# Altium PCB 6502_CPU_MainBoard_PCB_V1_2_x.PcbDoc (part 3 of 4)
Units mil, origin at the board's own origin, x right, y up, seen from the top; angles counter-clockwise.
Board outline 9000 x 6000 mil, 4 copper layers (Top Layer, Plane(GND), Plane(Power), Bottom Layer), stack 23.756 mil thick; 366 components, 374 nets, 1460 pads, 604 vias.
Unrouted connection lines stored in the file: 40.
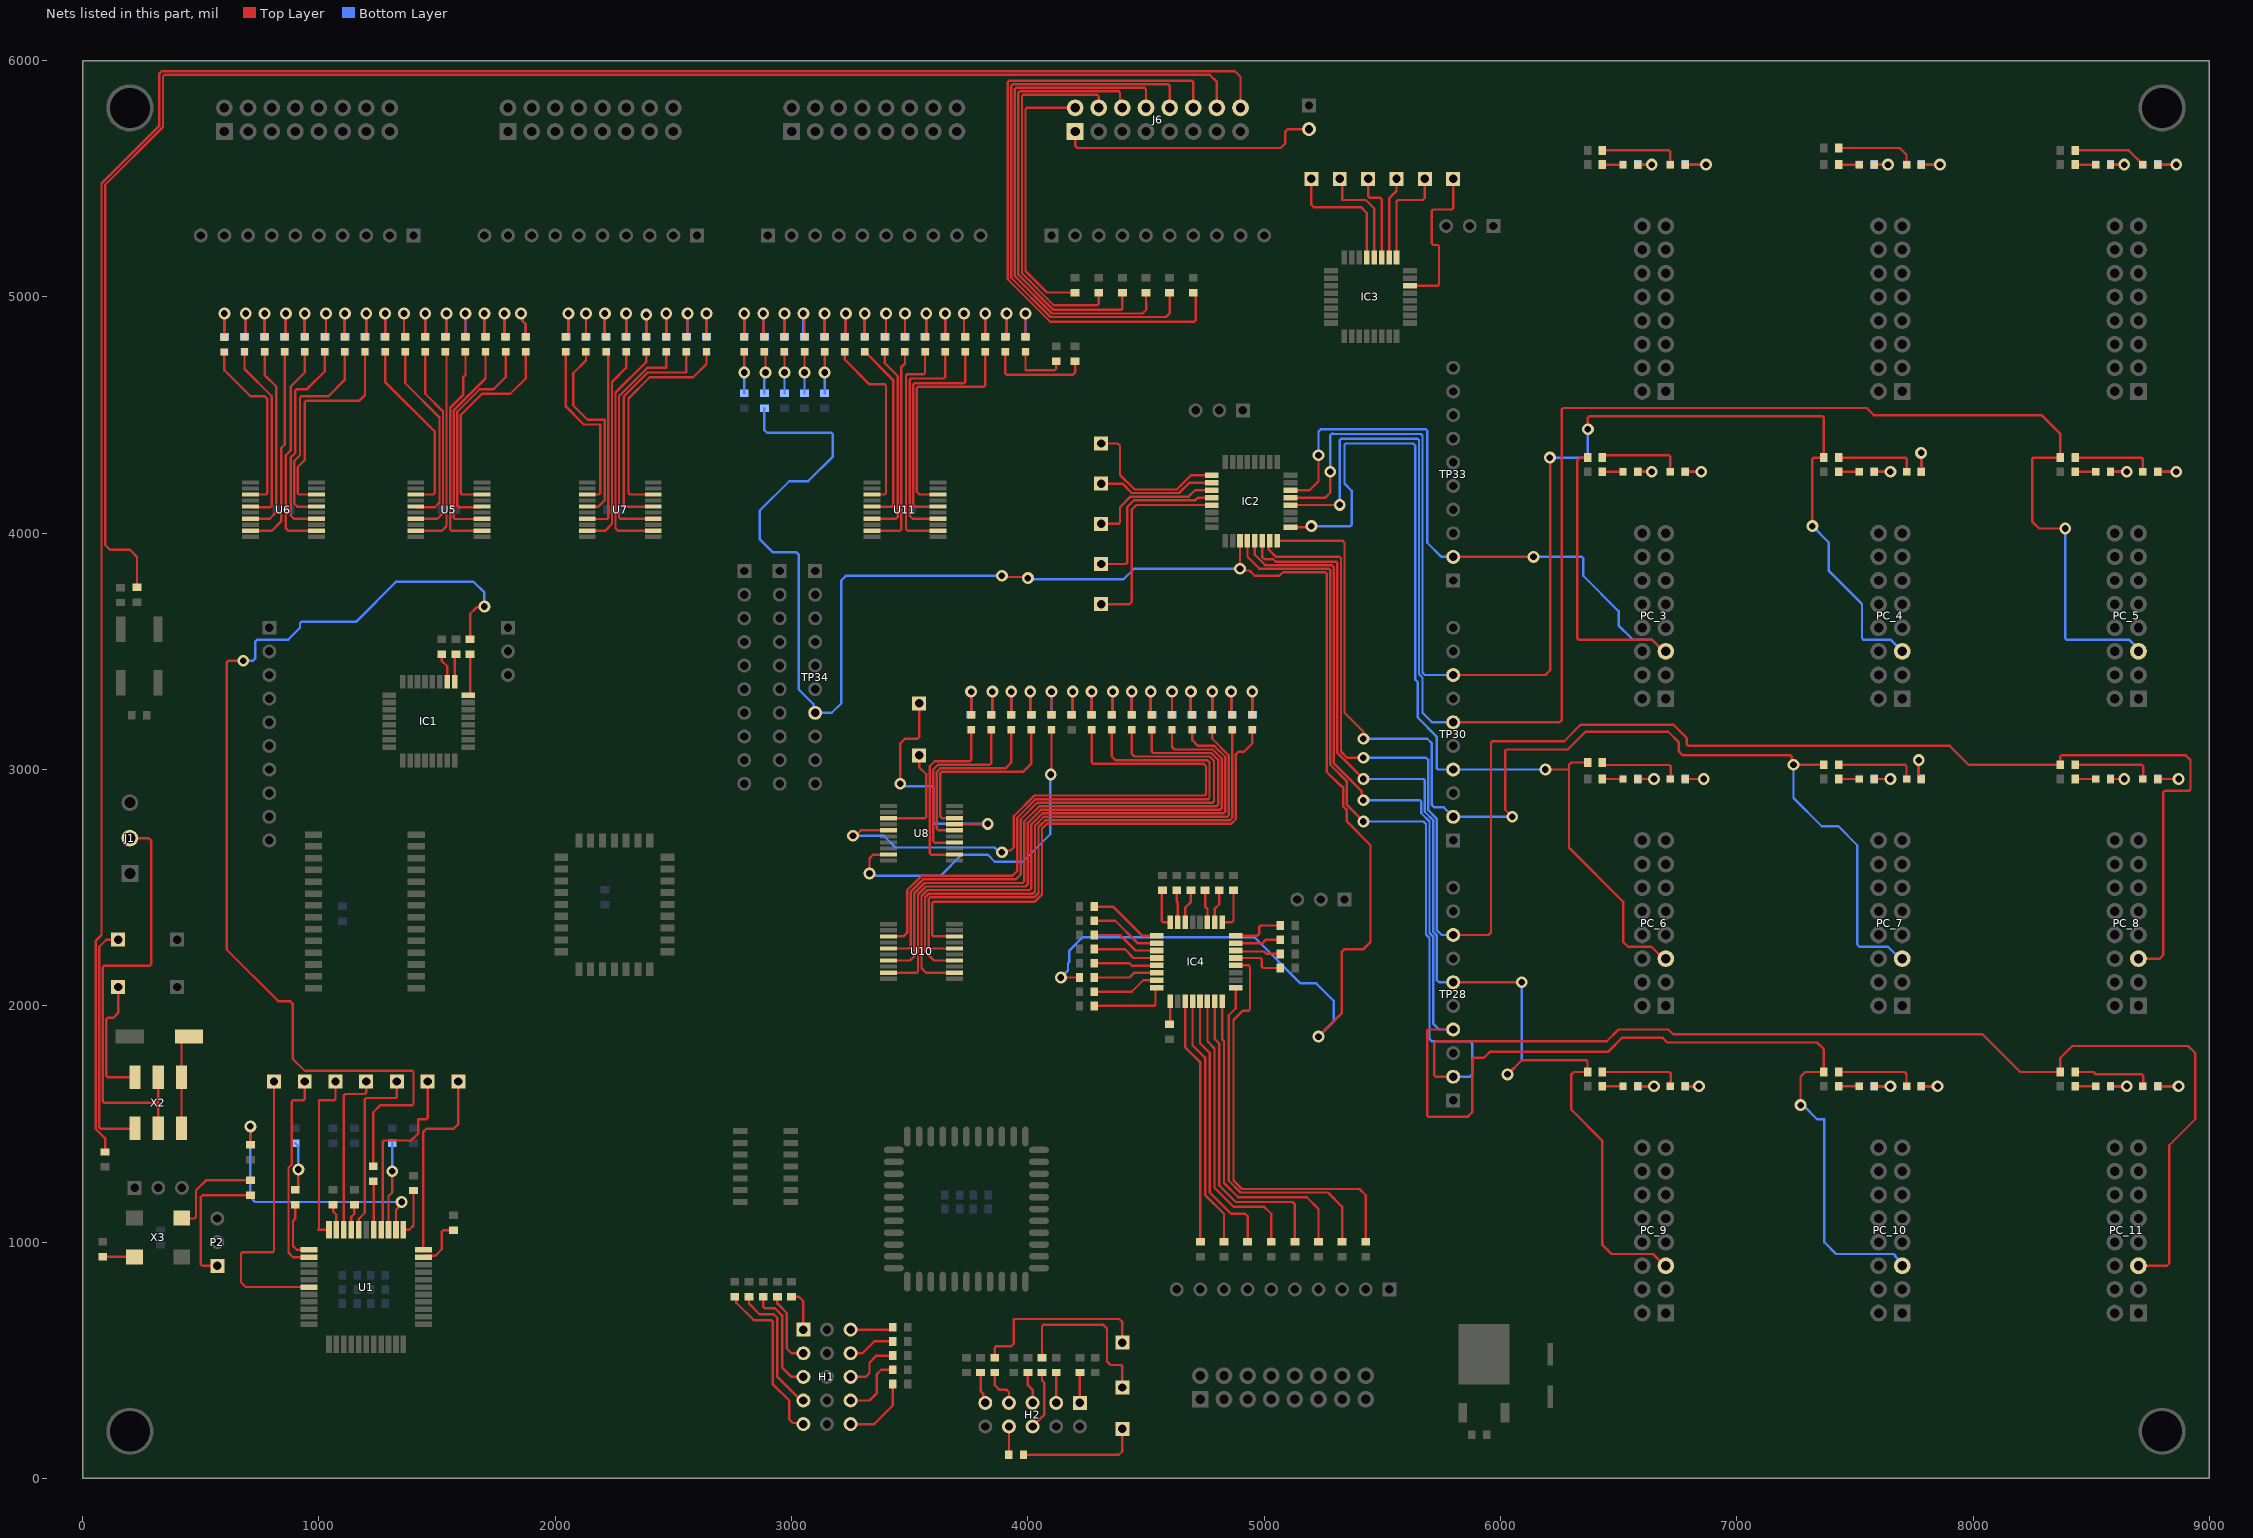
[diagram p5: the nets of this part, all layers, seen from the top]

## Via types
v1: diameter 50, hole 28, Top Layer to Bottom Layer, 604 vias

## Nets (pads, with @x,y where several pads share a name; then routed paths per layer and width w, separated by ;. In a path a pad name is that pad's centre, name@x,y a point inside that pad or via, vN(x,y) a via of type N, cw(c..) or ccw(c..) an arc to the next point about the centre after c; other vN are vias at no path point) (continued)
IRQB3: IC2.22 PC_3.5 R108.1 TP33.2 | length 3761.9
  Top Layer w10: IC2.22@5111.85,4182.24 5192.24,4182.24 5230,4220 v1(5230,4330) ; TP33.2@5800,3900 v1(6140,3900) ; R108.1@6368.5,4320 6337.76,4320 6325,4307.24 6325,3555.86 6330.86,3550 6640,3550 6690,3500 PC_3.5@6700,3500
  Bottom Layer w10: v1(5230,4330) 5230,4430 5240,4440 5684.14,4440 5690,4434.14 5690,3960 5750,3900 TP33.2@5800,3900 ; v1(6140,3900) 6344.14,3900 6350,3894.14 6350,3820 6500,3670 6500,3610 6560,3550 6640,3550 6690,3500 PC_3.5@6700,3500
IRQB4: IC2.21 PC_4.5 R107.1 TP30.8 | length 5860.8
  Top Layer w10: IC2.21@5111.85,4150.75 5259.25,4150.75 5280,4171.5 v1(5280,4260) ; TP30.8@5800,3400 6190,3400 6210,3420 6210,4319.14 v1(6209.14,4320) ; v1(6370,4440) 6370,4489.14 6375.86,4495 7362.65,4495 7368.5,4489.14 R107.1@7368.5,4320 7325.86,4320 7320,4314.14 v1(7320,4030)
  Bottom Layer w10: v1(5280,4260) 5280,4415 5285.86,4420.86 5294.14,4420.86 5295,4420 5664.14,4420 5670,4414.14 5670,3410 5680,3400 TP30.8@5800,3400 ; v1(6209.14,4320) 6364.14,4320 6370,4325.86 v1(6370,4440) ; v1(7320,4030) 7390,3960 7390,3840 7530,3700 7530,3555.86 7535.86,3550 7650,3550 PC_4.5@7700,3500
IRQB5: IC2.20 PC_5.5 R106.1 TP30.6 | length 7518.9
  Top Layer w10: IC2.20@5111.85,4119.25 5112.22,4119.63 5319.63,4119.63 v1(5320,4120) ; TP30.6@5800,3200 6250,3200 6260,3210 6260,4524.14 6265.86,4530 7550,4530 7580,4500 8290,4500 8368.5,4421.5 R106.1@8368.5,4320 8255.86,4320 8250,4314.14 8250,4050 8280,4020 v1(8390,4020)
  Bottom Layer w10: v1(5320,4120) 5320,4394.14 5325.86,4400 5649.14,4400 5655,4394.14 5655,3403.79 5670,3388.79 5670,3240 5710,3200 TP30.6@5800,3200 TP30.6@5809.39,3209.39 ; v1(8390,4020) 8390,3555.86 8395.86,3550 8660,3550 8700,3510 PC_5.5@8700,3500
IRQB6: IC2.17 PC_6.5 R105.1 TP30.4 | length 4020.8
  Top Layer w10: IC2.17@5111.85,4024.76 5194.76,4024.76 v1(5200,4030) ; v1(6190,3000) 6290,3000 ; R105.1@6368.5,3030 6300,3030 6290,3020 6290,3000 ; PC_6.5@6700,2200 6688.79,2200 6638.79,2250 6540,2250 6520,2270 6520,2440 6290,2670 6290,3000
  Bottom Layer w10: v1(5200,4030) 5364.14,4030 5370,4035.86 5370,4180 5340,4210 5340,4374.14 5345.86,4380 5630,4380 5640,4370 5640,3380 5650,3370 5650,3220 5730,3140 5730,3005.86 5735.86,3000 v1(6190,3000)
IRQB7: IC2.16 PC_7.5 R104.1 TP30.2 | length 4968.5
  Top Layer w10: IC2.16@5055.24,3968.15 5331.85,3968.15 5340,3960 5340,3240 5420,3160 v1(5420,3130) ; v1(6050,2800) 6020,2830 6020,3079.14 6025.86,3085 6285,3085 6360,3160 6710,3160 6755,3115 6755,3076.21 6771.21,3060 7226.49,3060 7232.35,3054.14 7232.35,3027.65 v1(7240,3020) R104.1@7368.5,3020
  Bottom Layer w10: v1(5420,3130) 5690,3130 5710,3110 5710,2850 5720,2840 5760,2840 TP30.2@5800,2800 6040,2800 6040.86,2800.86 6049.14,2800.86 v1(6050,2800) ; v1(7240,3020) 7240,2880 7360,2760 7430,2760 7510,2680 7510,2260 7520,2250 7640,2250 7690,2200 PC_7.5@7700,2200
IRQB8: IC2.15 PC_8.5 R293.1 TP28.8 | length 7508.9
  Top Layer w10: IC2.15@5023.74,3968.15 5020,3964.41 5020,3930 5050,3900 5319.14,3900 5325,3894.14 5325,3076.21 5351.21,3050 v1(5420,3050) ; TP28.8@5800,2300 5950,2300 5960,2310 5960,3114.14 5965.86,3120 6270,3120 6340,3190 6731.21,3190 6788.11,3133.11 6788.11,3107.5 6795.61,3100 7901.21,3100 7981.21,3020 R293.1@8368.5,3020 8368.5,3054.14 8374.36,3060 8900,3060 8920,3040 8920,2915.86 8914.14,2910 8810.86,2910 8805,2904.14 8805,2215 8790,2200 PC_8.5@8700,2200
  Bottom Layer w10: v1(5420,3050) 5685,3050 5695,3040 5695,2827.43 5730,2792.43 5730,2321.21 5751.21,2300 TP28.8@5800,2300
IRQB9: IC2.14 PC_9.5 R291.1 TP28.6 | length 4826.9
  Top Layer w10: IC2.14@4992.24,3968.15 4992.24,3898.97 5001.21,3890 5038.79,3890 5048.79,3880 5304.14,3880 5310,3874.14 5310,3070 v1(5420,2960) ; TP28.6@5800,2100 v1(6090,2100) ; v1(6030,1710) 6090,1770 6362.65,1770 6368.5,1764.14 R291.1@6368.5,1720 6310,1720 6300,1710 6300,1560 6430,1430 6430,990 6470,950 6645.26,950 6695.26,900 PC_9.5@6700,900
  Bottom Layer w10: v1(5420,2960) 5674.14,2960 5680,2954.14 5680,2821.21 5715,2786.21 5715,2315 5730,2300 5730,2110 5740,2100 TP28.6@5800,2100 ; v1(6030,1710) 6090,1770 v1(6090,2100)
IRQB10: IC2.13 PC_10.5 R289.1 TP28.4 | length 6545.4
  Top Layer w10: IC2.13@4960.75,3968.15 4960.75,3909.25 5005,3865 5286.21,3865 5295,3856.21 5295,3026.21 5412.35,2908.87 5412.35,2877.65 v1(5420,2870) ; TP28.4@5800,1900 5695.86,1900 5690,1894.14 5690,1535.86 5695.86,1530 5860,1530 5880,1550 5880,1774.14 5885.86,1780 5930,1780 5955,1805 6455,1805 6515,1865 6686.21,1865 6706.21,1845 7340,1845 7368.5,1816.5 R289.1@7368.5,1720 7290,1720 7270,1700 v1(7270,1580)
  Bottom Layer w10: v1(5420,2870) 5659.14,2870 5665,2864.14 5665,2815 5700,2780 5700,2308.79 5715,2293.79 5715,1925 5740,1900 TP28.4@5800,1900 ; v1(7270,1580) 7280,1580 7340,1520 7370,1520 7370,1000 7420,950 7664.14,950 7670,944.14 7670,941.32 7700,911.32 PC_10.5@7700,900
IRQB11: IC2.12 PC_11.5 R287.1 TP28.2 | length 7851.9
  Top Layer w10: IC2.12@4929.25,3968.15 4929.25,3900.75 4980,3850 5274.14,3850 5280,3844.14 5280,3020 5350,2950 5350,2850 v1(5420,2780) ; TP28.2@5800,1700 5725.86,1700 5720,1705.86 5720,1844.14 5725.86,1850 6450,1850 6500,1900 6710,1900 6730,1880 8040,1880 8200,1720 R287.1@8368.5,1720 8368.5,1778.5 8420,1830 8910,1830 8940,1800 8940,1520 8830,1410 8830,910 8820,900 PC_11.5@8700,900
  Bottom Layer w10: v1(5420,2780) 5675,2780 5685,2770 5685,2302.57 5700,2287.57 5700,1860 5710,1850 5870,1850 5880,1840 5880,1710 5870,1700 TP28.2@5800,1700
IRQBZ80: IC2.11 R264.1 R288.1 TP34.7 | length 8587.9
  Top Layer w10: v1(3890,3820) 3895,3815 3995,3815 v1(4000,3810) ; v1(4140,2120) R264.1@4218.5,2120 ; IC2.11@4897.76,3968.15 v1(4897.76,3850) 4905.41,3842.35 4937.65,3842.35 4960,3820 5065,3820 5080,3835 5259.14,3835 5265,3829.14 5265,2990 5325,2930 5329.14,2930 5335,2924.14 5335,2843.79 5350,2828.79 5350,2780 5450,2680 5450,2270 5420,2240 5340,2240 5329.14,2229.14 5329.14,1969.14 v1(5230,1870)
  Bottom Layer w10: R288.1@2885,4528.5 2885,4435.86 2895.86,4425 3169.14,4425 3175,4419.14 3175,4325 3070,4220 2990,4220 2865,4095 2865,3975 2920,3920 3020,3920 3030,3910 3030,3340 3093.51,3276.49 3093.51,3246.49 TP34.7@3100,3240 3170,3240 3210,3280 3210,3800 3230,3820 v1(3890,3820) ; v1(4000,3810) 4005,3805 4405,3805 4450,3850 v1(4897.76,3850) ; v1(4140,2120) 4170,2150 4170,2180 4175.61,2185.61 4175.61,2234.39 4231.21,2290 4958.79,2290 5153.79,2095 5220.15,2095 5293.79,2021.36 5293.79,1933.79 v1(5230,1870)
nCPUReset: R24.1 R60.2 | length 4445.5
  Top Layer w10: v1(680,3460) 615.86,3460 610,3454.14 610,2237.57 827.57,2020 877.57,2020 888.79,2008.79 888.79,1776.21 940,1725 1394.14,1725 1400,1719.14 1400,1585.86 1394.14,1580 1260,1580 1230,1550 R24.1@1230,1321.5 ; R60.2@1640,3551.5 1640,3659.18 1667.13,3686.3 1696.3,3686.3 v1(1700,3690)
  Bottom Layer w10: v1(680,3460) 720,3460 730,3470 730,3540 740,3550 870,3550 920,3600 920,3619.14 925.86,3625 1156.21,3625 1325.74,3794.53 1654.14,3794.53 1700,3748.67 v1(1700,3690)
NetD1_2: D1.2 X2.3 X2.4 | length 405.2
  Top Layer w10: X2.3@418.42,1481.73 X2.4@418.42,1698.27 418.42,1845 443.42,1870 D1.2@450,1870
NetH1_1: H1.1 R142.2 | length 177.7
  Top Layer w10: R142.2@3000,768.5 3031.5,768.5 3050,750 H1.1@3050,630
NetH1_3: H1.3 R160.1 | length 182.6
  Top Layer w10: H1.3@3250,630 3418.5,630 R160.1@3428.5,640
NetH1_4: H1.4 R143.2 | length 313.4
  Top Layer w10: R143.2@2940,768.5 2940,740 2980,700 2980,550 3000,530 H1.4@3050,530
NetH1_6: H1.6 R157.1 | length 199.2
  Top Layer w10: H1.6@3250,530 3300,530 3350,580 R157.1@3428.5,580
NetH1_7: H1.7 R144.2 | length 464.1
  Top Layer w10: R144.2@2880,768.5 2880,725.86 2885.86,720 2930,720 2960,690 2960,470 3000,430 H1.7@3050,430
NetH1_9: H1.9 R156.1 | length 241.6
  Top Layer w10: H1.9@3250,430 3314.14,430 3330,445.86 3330,490 3360,520 R156.1@3428.5,520
NetH1_10: H1.10 R145.2 | length 574.8
  Top Layer w10: R145.2@2820,768.5 2820,740 2865,695 2925,695 2940,680 2940,430 3040,330 H1.10@3050,330
NetH1_12: H1.12 R159.1 | length 279.2
  Top Layer w10: H1.12@3250,330 3330,330 3360,360 3360,440 3380,460 R159.1@3428.5,460
NetH1_13: H1.13 R146.2 | length 725.5
  Top Layer w10: R146.2@2760,768.5 2766.39,762.12 2766.39,743.61 2840,670 2914.14,670 2920,664.14 2920,400 2990,330 2990,250 3005.47,234.53 3045.47,234.53 H1.13@3050,230
NetH1_15: H1.15 R158.1 | length 302.5
  Top Layer w10: H1.15@3250,230 3350,230 3428.5,308.5 R158.1@3428.5,400
NetH2_1: H2.1 R149.2 | length 128.5
  Top Layer w10: H2.1@4220,320 R149.2@4220,448.5
NetH2_3: H2.3 R150.2 | length 128.5
  Top Layer w10: H2.3@4120,320 R150.2@4120,448.5
NetH2_5: H2.5 R151.2 | length 136.8
  Top Layer w10: R151.2@4000,448.5 4000,395 4020,375 H2.5@4020,320
NetH2_6: H2.6 R152.1 | length 258.7
  Top Layer w10: H2.6@4020,220 4070,270 4070,405 4060,415 R152.1@4060,442.76 ; R152.1@4060,448.5 R152.1@4060,442.76 ; R152.1@4065,443.5 4060.75,443.5 R152.1@4060,442.76
NetH2_7: H2.7 R153.2 | length 170.9
  Top Layer w10: R153.2@3860,448.5 3860,395 3880,375 3910,375 3920,365 H2.7@3920,320
NetH2_8: H2.8 R154.1 | length 103.5
  Top Layer w10: R154.1@3920,116.46 H2.8@3920,220
NetH2_9: H2.9 R155.2 | length 136.8
  Top Layer w10: R155.2@3800,448.5 3800,370 3810.61,359.39 3810.61,329.39 H2.9@3820,320
NetIC1_24: IC1.24 R60.1 | length 177.9
  Top Layer w10: IC1.24@1631.34,3315.24 1633.19,3315.24 1640,3322.05 R60.1@1640,3488.5
NetIC1_25: IC1.25 R59.1 | length 118.8
  Top Layer w10: IC1.25@1574.72,3371.85 1574.72,3483.23 R59.1@1580,3488.5
NetIC1_26: IC1.26 R58.1 | length 126.3
  Top Layer w10: R58.1@1520,3488.5 1520,3460 1543.23,3436.77 IC1.26@1543.23,3371.85
NetIC2_1: IC2.1 TP39.1 | length 645.9
  Top Layer w10: TP39.1@4310,4380 4380,4380 4390,4370 4390,4247.07 4452.07,4185 4630,4185 4690.24,4245.24 IC2.1@4778.15,4245.24
NetIC2_2: IC2.2 TP40.1 | length 502.8
  Top Layer w10: TP40.1@4310,4210 4400,4210 4440,4170 4640,4170 4683.74,4213.74 IC2.2@4778.15,4213.74
NetIC2_3: IC2.3 TP42.1 | length 564.6
  Top Layer w10: TP42.1@4310,4040 4384.14,4040 4390,4045.86 4390,4110 4435,4155 4680.45,4155 4707.7,4182.24 IC2.3@4778.15,4182.24
NetIC2_4: IC2.4 TP44.1 | length 721.6
  Top Layer w10: TP44.1@4310,3870 4414.14,3870 4420,3875.86 4420,4110 4450,4140 4709.25,4140 4720,4150.75 IC2.4@4778.15,4150.75
NetIC2_5: IC2.5 TP46.1 | length 870.3
  Top Layer w10: TP46.1@4310,3700 4430,3700 4440,3710 4440,4100 4459.25,4119.25 IC2.5@4778.15,4119.25
NetIC3_1: IC3.1 TP41.1 | length 444
  Top Layer w10: IC3.1@5560.24,5166.85 5560,5167.09 5560,5404.14 5565.86,5410 5670,5410 5680,5420 TP41.1@5680,5500
NetIC3_2: IC3.2 TP43.1 | length 346.1
  Top Layer w10: IC3.2@5528.74,5166.85 5528.74,5416.48 5560,5447.74 TP43.1@5560,5500
NetIC3_3: IC3.3 TP45.1 | length 383.5
  Top Layer w10: TP45.1@5440,5500 5440,5425.86 5445.86,5420 5491.39,5420 5497.24,5414.14 IC3.3@5497.24,5166.85
NetIC3_4: IC3.4 TP47.1 | length 452.1
  Top Layer w10: TP47.1@5320,5500 5330,5490 5330,5410 5430,5410 5465.75,5374.25 IC3.4@5465.75,5166.85
NetIC3_5: IC3.5 TP48.1 | length 547.3
  Top Layer w10: TP48.1@5200,5500 5200,5390 5210,5380 5410,5380 5434.25,5355.75 IC3.5@5434.25,5166.85
NetIC3_30: IC3.30 TP38.1 | length 678.7
  Top Layer w10: IC3.30@5616.85,5047.24 5734.14,5047.24 5740,5053.1 5740,5214.14 5734.14,5220 5715.86,5220 5710,5225.86 5710,5364.14 5715.86,5370 5794.14,5370 5800,5375.86 TP38.1@5800,5500
NetIC4_1: IC4.1 R253.2 | length 315.3
  Top Layer w10: R253.2@4281.5,2420 4360,2420 4482.91,2297.09 IC4.1@4545.91,2297.09
NetIC4_2: IC4.2 R255.2 | length 303.5
  Top Layer w10: R255.2@4281.5,2360 4370,2360 4464.41,2265.59 IC4.2@4545.91,2265.59
NetIC4_3: IC4.3 R257.2 | length 291.7
  Top Layer w10: R257.2@4281.5,2300 4390,2300 4455.91,2234.09 IC4.3@4545.91,2234.09
NetIC4_4: IC4.4 R259.2 | length 279.9
  Top Layer w10: R259.2@4281.5,2240 4410,2240 4447.4,2202.6 IC4.4@4545.91,2202.6
NetIC4_5: IC4.5 R261.2 | length 269
  Top Layer w10: R261.2@4281.5,2180 4430,2180 4440,2170 4544.8,2170 IC4.5@4545.91,2171.1
NetIC4_6: IC4.6 R264.2 | length 272.5
  Top Layer w10: R264.2@4281.5,2120 4430,2120 4449.61,2139.61 IC4.6@4545.91,2139.61
NetIC4_7: IC4.7 R266.2 | length 284.3
  Top Layer w10: R266.2@4281.5,2060 4440,2060 4488.11,2108.11 IC4.7@4545.91,2108.11
NetIC4_8: IC4.8 R268.2 | length 334.1
  Top Layer w10: R268.2@4281.5,2000 4534.14,2000 4540,2005.86 4540,2070.71 IC4.8@4545.91,2076.61
NetIC4_9: IC4.9 R270.2 | length 99.5
  Top Layer w10: R270.2@4600,1921.5 4602.52,1924.02 IC4.9@4602.52,2020
NetIC4_11: IC4.11 R273.1 | length 1045.2
  Top Layer w10: IC4.11@4665.51,2020 4665.51,1824.49 4730,1760 R273.1@4730,1001.5
NetIC4_12: IC4.12 R272.1 | length 1073.6
  Top Layer w10: IC4.12@4697.01,2020 4697.01,1832.99 4750,1780 4750,1200 4830,1120 R272.1@4830,1001.5
NetIC4_13: IC4.13 R271.1 | length 1137.1
  Top Layer w10: IC4.13@4728.5,2020 4728.5,1841.5 4770,1800 4770,1210 4860,1120 4920,1120 4930,1110 R271.1@4930,1001.5
NetIC4_14: IC4.14 R269.1 | length 1206.5
  Top Layer w10: IC4.14@4760,2020 4760,1850 4790,1820 4790,1230 4870,1150 5000,1150 5030,1120 R269.1@5030,1001.5
NetIC4_15: IC4.15 R267.1 | length 1299.3
  Top Layer w10: IC4.15@4791.5,2020 4791.5,1858.5 4810,1840 4810,1240 4880,1170 5120,1170 5130,1160 R267.1@5130,1001.5
NetIC4_16: IC4.16 R265.1 | length 1357
  Top Layer w10: IC4.16@4822.99,2020 4822.99,1857.01 4830,1850 4830,1250 4890,1190 5180,1190 5230,1140 R265.1@5230,1001.5
NetIC4_17: IC4.17 R263.1 | length 1502.9
  Top Layer w10: IC4.17@4879.61,2076.61 4879.61,1989.61 4850,1960 4850,1260 4900,1210 5270,1210 5330,1150 R263.1@5330,1001.5
NetIC4_20: IC4.20 R262.1 | length 1793.1
  Top Layer w10: IC4.20@4879.61,2171.1 4934.14,2171.1 4940,2165.24 4940,1985.86 4934.14,1980 4910,1980 4870,1940 4870,1261.21 4906.21,1225 5403.79,1225 5430,1198.79 R262.1@5430,1001.5
NetIC4_21: IC4.21 R260.1 | length 224.6
  Top Layer w10: IC4.21@4879.61,2202.6 4984.14,2202.6 4990,2196.74 4990,2165.86 4995.86,2160 R260.1@5068.5,2160
NetIC4_22: IC4.22 R258.1 | length 194.7
  Top Layer w10: IC4.22@4879.61,2234.09 4883.7,2230 5000,2230 5010,2220 R258.1@5068.5,2220
NetIC4_23: IC4.23 R256.1 | length 196.4
  Top Layer w10: IC4.23@4879.61,2265.59 4994.14,2265.59 5000,2271.45 5000,2274.14 5005.86,2280 R256.1@5068.5,2280
NetIC4_24: IC4.24 R254.1 | length 223.2
  Top Layer w10: IC4.24@4879.61,2297.09 4971.23,2297.09 4980,2305.86 4980,2334.14 4985.86,2340 R254.1@5068.5,2340
NetIC4_25: IC4.25 R252.1 | length 178.4
  Top Layer w10: IC4.25@4822.99,2353.7 4864.14,2353.7 4870,2359.56 R252.1@4870,2488.5
NetIC4_26: IC4.26 R250.1 | length 142.5
  Top Layer w10: IC4.26@4791.5,2353.7 4791.5,2411.5 4810,2430 R250.1@4810,2488.5
NetIC4_27: IC4.27 R248.1 | length 138.9
  Top Layer w10: R248.1@4750,2488.5 4750,2420 4760,2410 IC4.27@4760,2353.7
NetIC4_30: IC4.30 R247.2 | length 144.9
  Top Layer w10: IC4.30@4665.51,2353.7 4665.51,2415.51 4690,2440 R247.2@4690,2488.5
NetIC4_31: IC4.31 R249.2 | length 136.5
  Top Layer w10: R249.2@4630,2488.5 4630,2440 4634.02,2435.98 IC4.31@4634.02,2353.7
NetIC4_32: IC4.32 R251.2 | length 175
  Top Layer w10: R251.2@4580,2488.5 4577.05,2488.5 4566.3,2477.76 4566.3,2359.56 4572.16,2353.7 IC4.32@4602.52,2353.7
NetIRQ0_1: IRQ0.1 R111.2 | length 343.6
  Top Layer w10: R111.2@6431.5,5620 6712.65,5620 6718.5,5614.14 IRQ0.1@6718.5,5560
NetIRQ0_2: IRQ0.2 R79.2 | length 187
  Top Layer w10: IRQ0.2@6781.5,5560 v1(6870,5560)
  Bottom Layer w10: R79.2@6771.5,5560 v1(6870,5560)
NetIRQ1_1: IRQ1.1 R110.2 | length 340.3
  Top Layer w10: R110.2@7431.5,5630 7690,5630 7718.5,5601.5 IRQ1.1@7718.5,5560
NetIRQ1_2: IRQ1.2 R78.2 | length 167
  Top Layer w10: IRQ1.2@7781.5,5560 v1(7860,5560)
  Bottom Layer w10: R78.2@7771.5,5560 v1(7860,5560)
NetIRQ2_1: IRQ2.1 R109.2 | length 311.9
  Top Layer w10: R109.2@8431.5,5620 8658.5,5620 IRQ2.1@8718.5,5560
NetIRQ2_2: IRQ2.2 R77.2 | length 147
  Top Layer w10: IRQ2.2@8781.5,5560 v1(8860,5560)
  Bottom Layer w10: R77.2@8791.5,5560 v1(8860,5560)
NetIRQ3_1: IRQ3.1 R108.2 | length 357.7
  Top Layer w10: R108.2@6431.5,4320 6441.5,4330 6712.65,4330 6718.5,4324.14 IRQ3.1@6718.5,4260
NetIRQ3_2: IRQ3.2 R76.2 | length 151.2
  Top Layer w10: IRQ3.2@6781.5,4250 6791.5,4260 v1(6850,4260)
  Bottom Layer w10: R76.2@6771.5,4260 v1(6850,4260)
NetIRQ4_1: IRQ4.1 R107.2 | length 345.7
  Top Layer w10: R107.2@7431.5,4320 7714.14,4320 7720,4314.14 7720,4261.5 IRQ4.1@7718.5,4260
NetIRQ4_2: IRQ4.2 R75.2 | length 171.9
  Top Layer w10: v1(7780,4340) 7780,4251.5 IRQ4.2@7781.5,4250
  Bottom Layer w10: v1(7780,4340) 7780,4262.99 R75.2@7782.99,4260
NetIRQ5_1: IRQ5.1 R106.2 | length 343.6
  Top Layer w10: R106.2@8431.5,4320 8712.65,4320 8718.5,4314.14 IRQ5.1@8718.5,4260
NetIRQ5_2: IRQ5.2 R74.2 | length 171.2
  Top Layer w10: IRQ5.2@8781.5,4250 8791.5,4260 v1(8860,4260)
  Bottom Layer w10: R74.2@8771.5,4260 v1(8860,4260)
NetIRQ6_1: IRQ6.1 R105.2 | length 349.4
  Top Layer w10: R105.2@6431.5,3030 6431.5,3029.89 6442.24,3019.14 6714.14,3019.14 6720,3013.28 6720,2961.5 IRQ6.1@6718.5,2960
NetIRQ6_2: IRQ6.2 R73.2 | length 167
  Top Layer w10: IRQ6.2@6781.5,2960 v1(6860,2960)
  Bottom Layer w10: R73.2@6771.5,2960 v1(6860,2960)
NetIRQ7_1: IRQ7.1 R104.2 | length 343.6
  Top Layer w10: R104.2@7431.5,3020 7712.65,3020 7718.5,3014.14 IRQ7.1@7718.5,2960
NetIRQ7_2: IRQ7.2 R72.2 | length 165.4
  Top Layer w10: v1(7770,3040) 7770.75,3039.25 7770.75,2970.75 IRQ7.2@7781.5,2960
  Bottom Layer w10: v1(7770,3040) 7770,2961.5 R72.2@7771.5,2960
NetIRQ8_1: IRQ8.1 R293.2 | length 345.7
  Top Layer w10: R293.2@8431.5,3020 8714.14,3020 8720,3014.14 8720,2961.5 IRQ8.1@8718.5,2960
NetIRQ8_2: IRQ8.2 R282.2 | length 171.2
  Top Layer w10: IRQ8.2@8781.5,2950 8791.5,2960 v1(8870,2960)
  Bottom Layer w10: R282.2@8791.5,2960 v1(8870,2960)
NetIRQ9_1: IRQ9.1 R291.2 | length 345.7
  Top Layer w10: R291.2@6431.5,1720 6714.14,1720 6720,1714.14 6720,1661.5 IRQ9.1@6718.5,1660
NetIRQ9_2: IRQ9.2 R281.2 | length 121.2
  Top Layer w10: IRQ9.2@6781.5,1660 v1(6840,1660)
  Bottom Layer w10: R281.2@6781.5,1650 6791.5,1660 v1(6840,1660)
NetIRQ10_1: IRQ10.1 R289.2 | length 342
  Top Layer w10: R289.2@7431.5,1720 7710,1720 7718.5,1711.5 IRQ10.1@7718.5,1660
NetIRQ10_2: IRQ10.2 R280.2 | length 131.2
  Top Layer w10: IRQ10.2@7781.5,1650 7791.5,1660 v1(7850,1660)
  Bottom Layer w10: R280.2@7791.5,1660 v1(7850,1660)
NetIRQ11_1: IRQ11.1 R287.2 | length 339.8
  Top Layer w10: R287.2@8431.5,1720 8510,1720 8520,1710 8714.14,1710 8720,1704.14 8720,1661.5 IRQ11.1@8718.5,1660
NetIRQ11_2: IRQ11.2 R279.2 | length 177
  Top Layer w10: IRQ11.2@8781.5,1660 v1(8870,1660)
  Bottom Layer w10: R279.2@8781.5,1660 v1(8870,1660)
NetJ1_2: J1.2 X2.2 X2.5 | length 1850.4
  Top Layer w10: J1.2@200,2710 280,2710 290,2700 290,2175.86 284.14,2170 90.86,2170 85,2164.14 85,1595.86 90.86,1590 320,1590 ; X2.2@320,1481.73 320,1590 ; X2.5@320,1698.27 320,1590
NetJ2_2: J2.2 J6.1 | length 1116.6
  Top Layer w10: J6.1@4200,5700 4200,5640 4210,5630 5070,5630 5090,5650 5090,5700 5100,5710 J2.2@5190,5710
NetJ6_2: J6.2 R165.2 | length 1154.5
  Top Layer w10: R165.2@4200,5018.5 4081.5,5018.5 3990,5110 3990,5794.14 3995.86,5800 J6.2@4200,5800
  Bottom Layer w10: J6.2@4200,5800 J6.2@4210,5800
NetJ6_4: J6.4 R169.2 | length 1569.1
  Top Layer w10: R169.2@4300,5018.5 4300,4970.86 4294.14,4965 4110,4965 3975,5100 3975,5849.14 3980.86,5855 4294.14,5855 4300,5849.14 J6.4@4300,5800
  Bottom Layer w10: J6.4@4300,5790 J6.4@4300,5800